# KiCad board q2v2.kicad_pcb (continued)
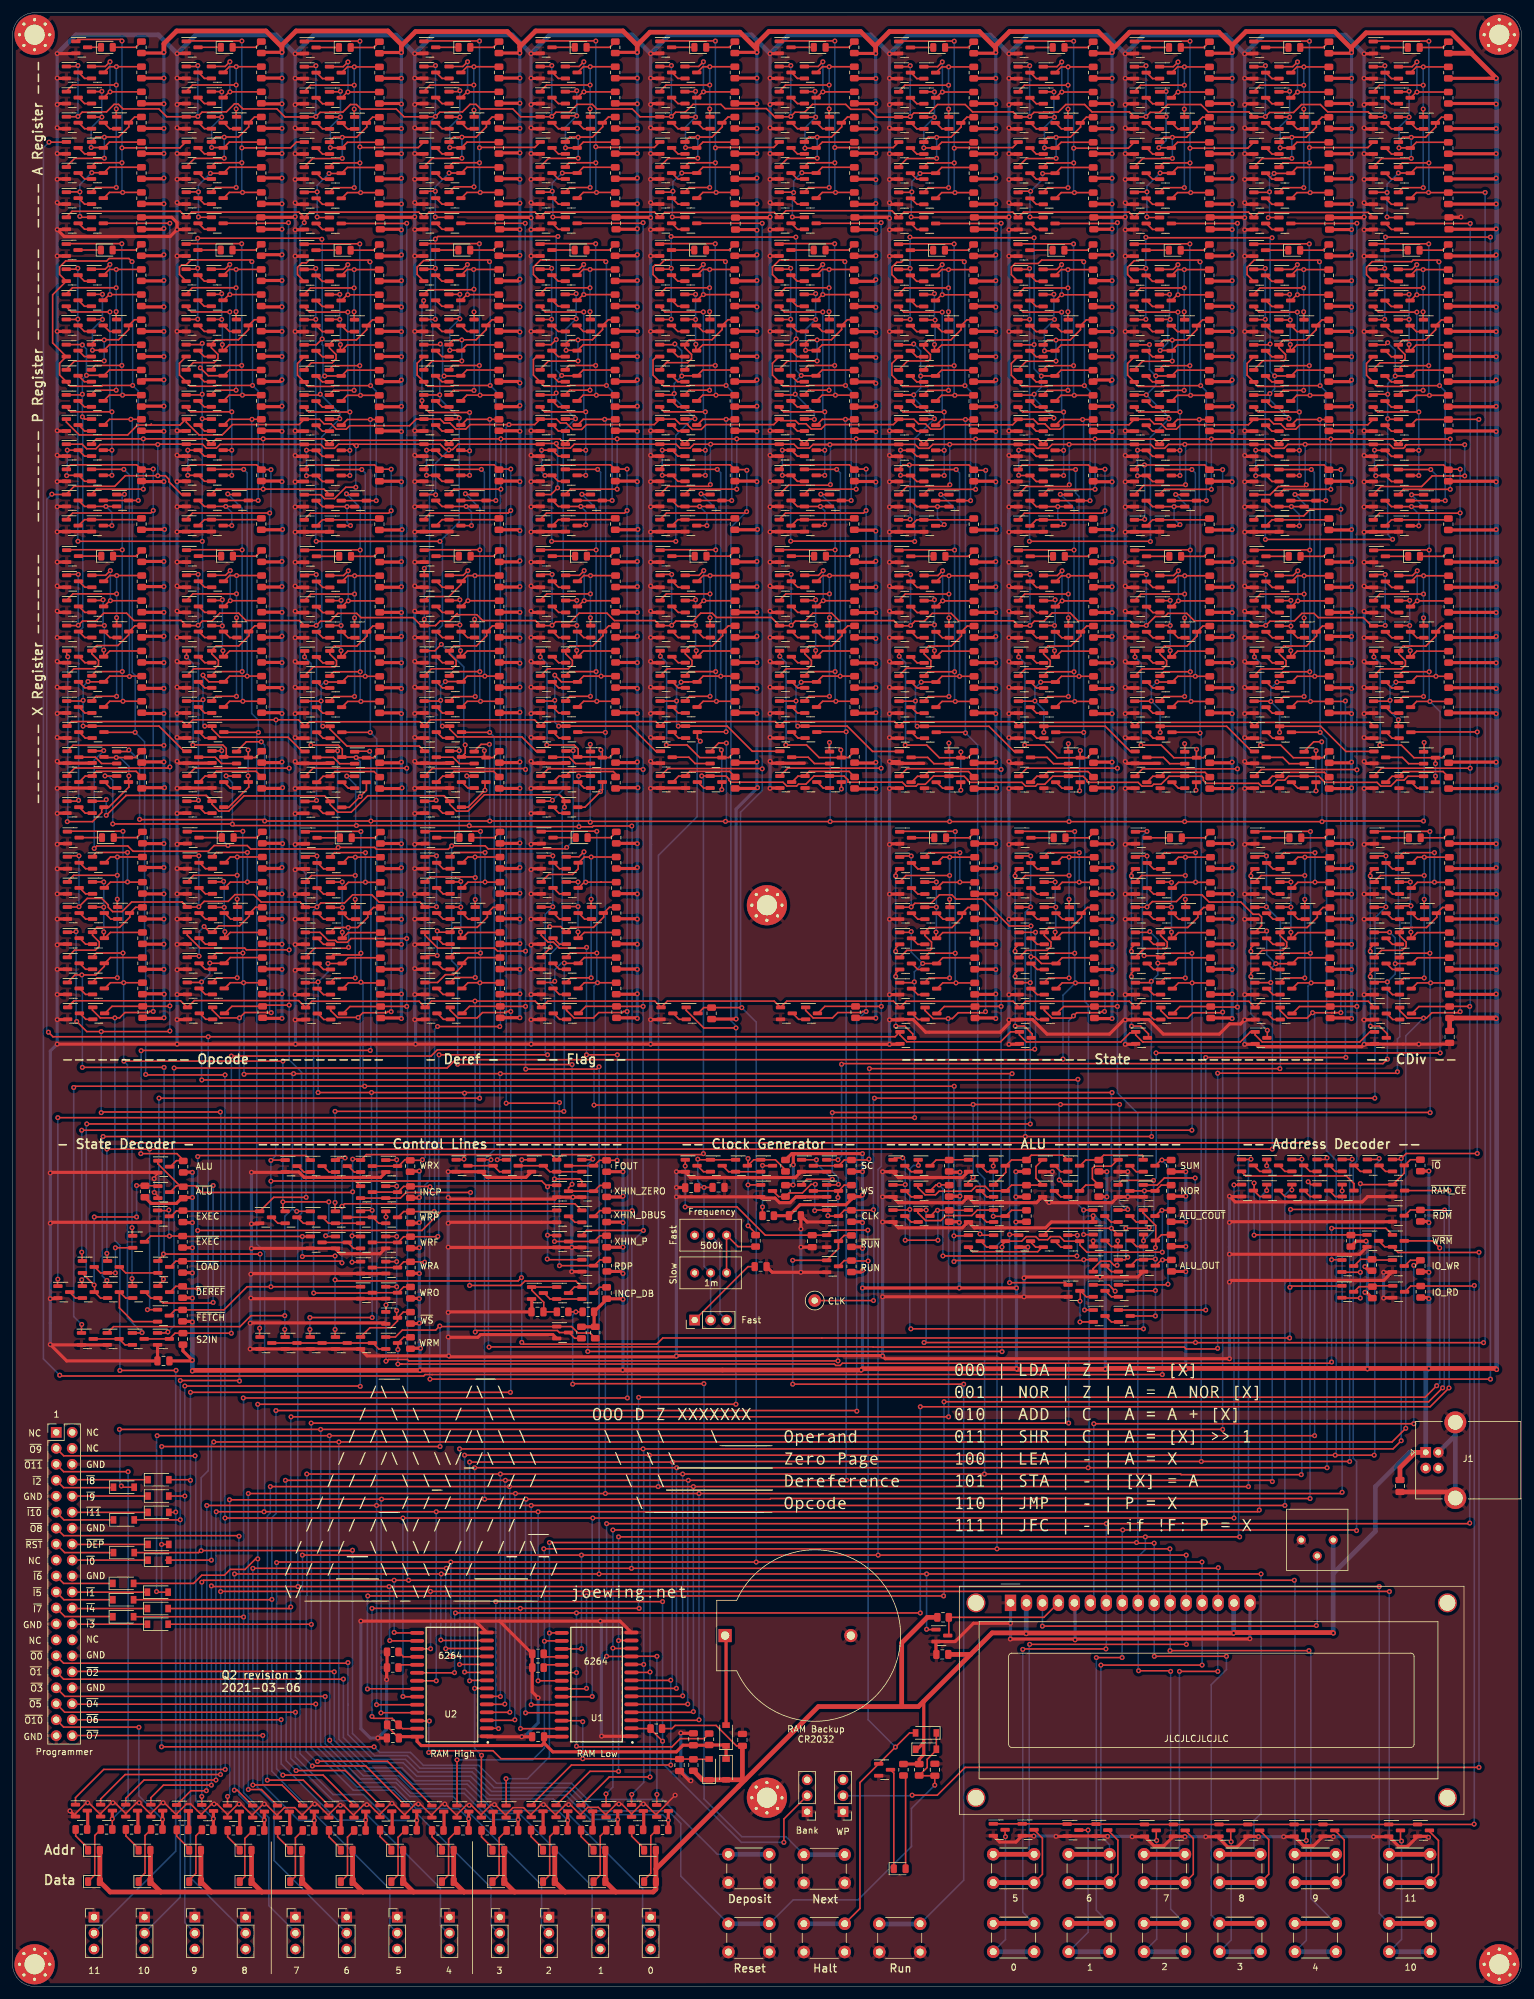
[diagram p0: board, top side]
## Routing (per net, layer and track width the routed paths; a pad name or vN(x,y) marks a point on that pad's centre or on a via; arc(x,y) is an arc through that point) (continued)
VCC: length 4833.2
  Top w0.25: 103.39,41.1 R300.1 104.9,41.03 105.4,41.53 111.91,41.53 112.56,40.88 ; C5.1 115.16,38.28 112.56,40.88 ; 112.56,40.88 112.34,41.1 ; Q52.1 9.61,197.48 24.05,197.48 v1(24.07,197.46)
  Top w0.5: 42.74,307.61 v1(42.85,307.73) ; v1(42.85,307.73) 39.58,307.73 ; v1(42.85,307.73) 42.85,307.76 ; 42.84,303.61 v1(42.85,303.63) 39.48,303.63 ; 42.76,299.61 v1(42.85,299.53) 39.56,299.53 ; 42.84,295.61 v1(42.85,295.63) 39.48,295.63 ; 42.84,291.61 v1(42.85,291.63) 39.48,291.63 ; 42.74,287.61 v1(42.85,287.73) 39.58,287.73 ; 42.84,283.61 v1(42.85,283.63) 39.48,283.63 ; 42.76,154.11 v1(42.85,154.03) 39.86,154.03 ; 42.82,263.36 v1(42.85,263.33) 39.48,263.33 ; 42.72,267.36 v1(42.85,267.23) 39.58,267.23 ; 42.78,271.36 v1(42.85,271.43) 39.52,271.43 ; 42.68,275.36 v1(42.85,275.53) 39.62,275.53 ; 99.26,307.61 v1(99.38,307.72) 95.89,307.72 ; 99.36,303.61 v1(99.38,303.62) 95.79,303.62 ; 99.29,299.61 v1(99.38,299.52) 95.86,299.52 ; 99.36,190.61 v1(99.47,190.72) 96.04,190.72 ; 61.74,307.58 v1(61.85,307.7) 58.46,307.7 ; v1(236,275.5) 235.83,275.33 R405.1 ; v1(236,299.5) 235.91,299.58 R411.1 ; R416.1 235.99,291.58 v1(236,291.6) ; v1(236,287.7) 235.89,287.58 R413.1 ; v1(236,169.8) 235.95,169.84 R433.1 ; v1(236,178) 235.85,177.84 R432.1 ; v1(236,181.8) 235.95,181.84 R430.1 ; 235.89,194.68 v1(236,194.8) 228.56,194.8 ; v1(236,190.7) 235.89,190.58 R418.1 ; R421.1 235.93,226.62 v1(236,226.7) ; v1(236,239.4) 235.91,239.48 R401.1 ; R403.1 235.93,251.33 v1(236,251.4) ; R414.1 235.99,303.58 v1(236,303.6) 234.73,303.6 ; 174.87,259.33 v1(174.9,259.3) 171.81,259.3 ; 174.83,251.33 v1(174.9,251.4) 171.85,251.4 ; 174.81,247.48 v1(174.9,247.4) 171.89,247.4 ; 174.94,231.73 v1(175,231.8) 171.96,231.8 ; 174.87,210.62 v1(174.9,210.6) 171.88,210.6 ; 174.75,177.84 v1(174.9,178) 172.11,178 ; 174.85,169.84 v1(174.9,169.8) 172.01,169.8 ; 174.89,190.58 v1(175,190.7) 172.06,190.7 ; 174.77,267.33 v1(174.9,267.2) 171.91,267.2 ; 174.63,255.33 v1(174.9,255.6) 172.05,255.6 171.78,255.33 ; 174.73,214.62 v1(174.9,214.8) 172.02,214.8 ; 174.79,194.68 v1(174.9,194.8) 171.96,194.8 ; 174.83,222.62 v1(174.9,222.7) 171.92,222.7 ; 174.85,173.84 v1(174.9,173.8) 172.01,173.8 ; 174.85,165.84 v1(174.9,165.8) 172.01,165.8 ; 174.85,157.84 v1(174.9,157.9) 172.01,157.9 ; 118.29,307.61 v1(118.4,307.72) 114.91,307.72 ; 212.83,214.62 v1(213,214.8) 209.62,214.8 ; v1(236,267.2) 235.87,267.33 R404.1 ; R407.1 235.93,271.33 v1(236,271.4) ; v1(236,255.6) 235.73,255.33 R406.1 ; v1(236,247.4) 235.91,247.48 R399.1 ; v1(236,259.3) 235.97,259.33 R409.1 ; R402.1 235.94,231.73 v1(236,231.8) ; R422.1 235.87,206.62 v1(236,206.5) ; R424.1 235.83,214.62 v1(236,214.8) ; R429.1 235.95,173.84 v1(236,173.8) ; v1(236,283.6) 235.99,283.58 R410.1 ; v1(236,295.6) 235.99,295.58 R415.1 ; R423.1 235.93,222.62 v1(236,222.7) ; v1(236,263.3) 235.97,263.33 R408.1 ; v1(236,202.5) 235.87,202.62 R419.1 ; R425.1 235.97,210.62 v1(236,210.6) ; v1(236,157.9) 235.95,157.84 R428.1 ; R434.1 235.95,165.84 v1(236,165.8) ; R420.1 235.97,218.62 v1(236,218.6) ; 174.87,218.62 v1(174.9,218.6) 171.88,218.6 ; 174.77,206.62 v1(174.9,206.5) 171.98,206.5 ; 174.83,271.33 v1(174.9,271.4) 171.85,271.4 ; 174.81,154.08 v1(174.9,154) 172.09,154 ; 174.89,291.58 v1(174.9,291.6) 171.81,291.6 ; 174.73,275.33 v1(174.9,275.5) 171.95,275.5 ; 174.79,287.58 v1(174.9,287.7) 171.91,287.7 ; 174.83,226.62 v1(174.9,226.7) 171.92,226.7 ; 174.87,263.33 v1(174.9,263.3) 171.81,263.3 ; R431.1 235.95,161.84 v1(236,161.8) ; 174.85,181.84 v1(174.9,181.8) 172.01,181.8 ; 174.77,202.62 v1(174.9,202.5) 171.98,202.5 ; 174.89,283.58 v1(174.9,283.6) 171.81,283.6 ; 174.81,239.48 v1(174.9,239.4) 171.89,239.4 ; 174.85,161.84 v1(174.9,161.8) 172.01,161.8 ; 118.39,303.61 v1(118.4,303.62) 114.81,303.62 ; 156.39,190.58 v1(156.5,190.7) 156.53,190.7 156.64,190.58 R113.1 ; R358.1 212.93,226.62 v1(213,226.7) ; R360.1 212.93,222.62 v1(213,222.7) ; 58.25,303.58 61.84,303.58 v1(61.85,303.6) ; v1(42.85,173.83) 42.8,173.87 39.63,173.87 ; v1(61.85,173.8) 61.8,173.84 58.41,173.84 ; 152.78,275.33 156.23,275.33 v1(156.4,275.5) ; R44.1 97.09,117.61 v1(97.1,117.63) ; v1(80.7,279.53) 80.65,279.58 77.4,279.58 ; 114.8,295.61 118.39,295.61 v1(118.4,295.62) ; 114.78,275.35 118.23,275.35 v1(118.4,275.52) ; R373.1 R371.1 ; R128.1 135.16,129.66 v1(135.2,129.63) ; v1(61.85,267.2) 61.72,267.33 58.23,267.33 ; 39.63,169.87 42.8,169.87 v1(42.85,169.83) ; v1(99.38,202.52) 99.25,202.65 95.82,202.65 ; R42.1 27.1,101.13 v1(28.6,99.63) 28.5,99.53 C1.1 ; 95.75,251.35 99.31,251.35 v1(99.38,251.42) ; 24,226.65 v1(24.07,226.73) 20.52,226.73 ; v1(80.7,287.53) 80.62,287.61 77.28,287.61 ; 133.94,214.59 137.19,214.59 v1(137.32,214.46) ; v1(135.2,132.5) 124.47,132.5 ; 124.47,132.5 124.2,132.23 v1(124.2,130.73) ; 124.47,132.5 123.96,132.5 R130.1 ; v1(118.4,202.52) 118.27,202.65 114.85,202.65 ; v1(118.4,218.62) 118.37,218.65 114.85,218.65 ; 20.4,295.61 24.06,295.61 v1(24.07,295.63) ; R207.1 150.49,121.66 v1(150.6,121.55) ; R278.1 193.83,214.62 v1(194,214.8) ; v1(156.4,181.8) 156.35,181.84 152.96,181.84 ; v1(80.7,267.23) 80.57,267.35 77.25,267.35 ; 95.82,194.71 99.26,194.71 v1(99.38,194.82) ; v1(137.32,291.66) 134.01,291.66 ; R260.1 193.73,255.33 v1(194,255.6) ; 95.94,161.87 99.33,161.87 v1(99.38,161.82) ; R266.1 193.89,307.58 v1(194,307.7) ; v1(99.38,169.82) 99.33,169.87 95.94,169.87 ; v1(99.38,214.82) 99.2,214.65 95.82,214.65 ; v1(42.85,161.83) 42.8,161.87 R90.1 ; 152.78,255.33 156.13,255.33 v1(156.4,255.6) ; 23.98,239.51 v1(24.07,239.43) 20.49,239.43 ; R270.1 193.99,291.58 v1(194,291.6) ; v1(99.47,231.82) 99.41,231.76 R305.1 ; 171.8,295.58 174.89,295.58 v1(174.9,295.6) ; v1(80.7,181.93) 80.64,181.87 77.44,181.87 ; v1(213,283.6) 212.99,283.58 R347.1 ; 77.28,283.61 80.58,283.61 v1(80.7,283.73) ; v1(135.2,125.93) 134.94,125.66 R133.1 133.45,125.26 132.56,124.38 125.25,124.38 C10.2 R134.1 ; R49.1 64.64,117.46 v1(64.7,117.53) ; v1(64.7,125.53) 64.64,125.46 R50.1 ; 39.45,255.36 42.58,255.36 v1(42.85,255.63) ; v1(137.32,226.76) 137.14,226.59 133.94,226.59 ; R36.1 28.56,109.56 v1(28.6,109.53) ; R269.1 193.99,295.58 v1(194,295.6) ; 95.94,157.87 99.32,157.87 v1(99.38,157.92) ; v1(194,247.4) 193.91,247.48 R253.1 ; v1(213,239.4) 212.91,239.48 R338.1 ; v1(61.85,157.9) 61.8,157.84 58.41,157.84 ; v1(61.85,279.48) 61.75,279.58 58.4,279.58 ; v1(118.4,210.62) 118.37,210.65 114.85,210.65 ; v1(215.12,114.53) 215.79,113.86 R288.1 ; v1(150.7,125.73) 149.06,125.73 ; v1(156.4,287.7) 156.29,287.58 152.8,287.58 ; 95.82,222.65 99.3,222.65 v1(99.38,222.72) ; v1(61.85,202.5) 61.72,202.62 58.3,202.62 ; v1(64.7,113.43) 64.66,113.46 R51.1 ; v1(61.85,210.6) 61.82,210.62 58.3,210.62 ; 58.3,194.68 61.74,194.68 v1(61.85,194.8) ; 133.94,202.59 137.24,202.59 v1(137.32,202.66) ; v1(225.3,113.63) 225.21,113.71 R289.1 ; 133.89,239.45 137.24,239.45 v1(137.32,239.36) ; v1(61.85,169.8) 61.8,169.84 58.41,169.84 ; v1(99.38,267.22) 99.24,267.35 95.75,267.35 ; v1(137.32,279.46) 137.27,279.51 134.02,279.51 ; 114.85,214.65 118.23,214.65 v1(118.4,214.82) ; v1(80.7,194.83) 80.58,194.71 77.32,194.71 ; 20.38,255.36 20.65,255.63 v1(24.07,255.63) ; 95.9,279.58 99.3,279.58 v1(99.38,279.65) ; v1(80.7,154.13) 77.49,154.13 ; 152.85,226.62 156.33,226.62 v1(156.4,226.7) ; 20.52,222.73 v1(24.07,222.73) 24,222.65 ; 39.47,247.51 42.76,247.51 v1(42.85,247.43) ; v1(42.85,214.83) 42.68,214.65 39.52,214.65 ; v1(99.38,295.62) 99.36,295.61 95.78,295.61 ; v1(156.4,263.3) 156.37,263.33 152.78,263.33 ; R281.1 193.95,173.84 v1(194,173.8) ; v1(61.85,247.4) 61.76,247.48 58.25,247.48 ; v1(194,226.7) 193.93,226.62 R275.1 ; v1(64.7,105.53) 64.64,105.46 R52.1 ; v1(24.07,291.63) 24.06,291.61 20.4,291.61 ; R363.1 212.95,157.84 v1(213,157.9) ; 152.78,251.33 156.33,251.33 v1(156.4,251.4) ; v1(194,202.5) 193.87,202.62 R273.1 ; R39.1 64.66,109.46 v1(64.7,109.43) ; 77.32,210.65 80.58,210.65 v1(80.7,210.53) ; v1(99.38,226.72) 99.3,226.65 95.82,226.65 ; v1(99.38,271.42) 99.31,271.35 95.75,271.35 ; v1(61.85,161.8) 61.8,161.84 58.41,161.84 ; v1(156.4,194.8) 156.29,194.68 152.85,194.68 ; 77.28,239.51 80.62,239.51 v1(80.7,239.43) ; v1(186.62,125.73) 184.36,125.73 ; v1(80.7,165.93) 80.64,165.87 77.44,165.87 ; v1(194,275.5) 193.83,275.33 R259.1 ; 58.23,275.33 61.68,275.33 v1(61.85,275.5) ; 114.85,222.65 118.33,222.65 v1(118.4,222.72) ; R258.1 193.87,267.33 v1(194,267.2) ; v1(213,165.8) 212.95,165.84 R369.1 ; v1(24.07,307.73) 23.96,307.61 R14.1 ; v1(137.32,251.46) 137.15,251.29 133.87,251.29 ; 39.52,218.65 42.82,218.65 v1(42.85,218.63) ; 95.94,173.87 99.33,173.87 v1(99.38,173.82) ; v1(42.85,194.83) 42.74,194.71 39.52,194.71 ; v1(99.38,291.62) 99.36,291.61 95.78,291.61 ; v1(42.85,222.73) 42.78,222.65 39.52,222.65 ; v1(80.7,255.13) 80.47,255.35 77.25,255.35 ; 174.9,308.01 v1(174.9,307.7) 174.79,307.58 171.8,307.58 ; 58.41,165.84 61.8,165.84 v1(61.85,165.8) ; 77.25,259.35 80.57,259.35 v1(80.7,259.23) ; 133.89,287.55 137.24,287.55 v1(137.32,287.46) ; v1(137.32,154.06) 134.11,154.06 ; v1(213,299.5) 212.91,299.58 R348.1 ; 152.8,295.58 156.39,295.58 v1(156.4,295.6) ; v1(42.85,178.03) 42.7,177.87 39.63,177.87 ; v1(61.85,259.3) 61.82,259.33 58.23,259.33 ; v1(156.4,178) 156.25,177.84 152.96,177.84 ; v1(156.4,169.8) 156.35,169.84 152.96,169.84 ; 20.4,279.58 23.95,279.58 v1(24.07,279.69) ; D42.1 143.91,37.73 144.95,38.78 ; v1(42.85,210.63) 42.82,210.65 39.52,210.65 ; v1(213,255.6) 212.73,255.33 R343.1 ; v1(28.6,125.53) 27.09,125.53 ; R215.1 186.59,113.76 v1(186.62,113.73) ; 77.25,263.35 80.57,263.35 v1(80.7,263.23) ; 153,154.08 156.31,154.08 v1(156.4,154) ; 229.34,307.58 R412.1 ; v1(186.62,121.63) 186.59,121.66 R214.1 ; v1(118.4,267.22) 118.27,267.35 114.78,267.35 ; v1(225.3,129.73) 223.96,129.73 ; v1(28.6,117.53) 27.09,117.53 ; 114.8,239.51 118.31,239.51 v1(118.4,239.42) ; v1(80.7,247.43) 80.62,247.51 77.28,247.51 ; v1(42.85,206.53) 42.72,206.65 39.52,206.65 ; 23.98,299.61 v1(24.07,299.53) 20.49,299.53 ; v1(186.62,117.73) 184.34,117.73 ; 20.48,210.63 v1(24.07,210.63) 24.04,210.65 ; v1(97.1,121.53) 97.01,121.61 R45.1 ; R263.1 193.97,259.33 v1(194,259.3) ; 27.05,125.56 26.06,124.58 22.04,124.58 R41.1 ; v1(118.4,194.82) 118.29,194.71 114.85,194.71 ; 133.94,222.59 137.24,222.59 v1(137.32,222.66) ; 94.56,113.76 96.76,113.76 v1(97.1,113.43) ; R342.1 212.83,275.33 v1(213,275.5) ; 39.63,165.87 42.8,165.87 v1(42.85,165.83) ; v1(137.32,190.56) 137.3,190.55 133.94,190.55 ; v1(194,218.6) 193.97,218.62 R274.1 ; v1(194,303.6) 193.99,303.58 R268.1 ; v1(80.7,222.73) 80.62,222.65 77.32,222.65 ; R367.1 212.85,177.84 v1(213,178) ; v1(118.4,259.32) 118.37,259.35 114.78,259.35 ; R354.1 212.89,194.68 v1(213,194.8) ; 171.8,303.58 174.89,303.58 v1(174.9,303.6) ; 58.3,214.62 61.68,214.62 v1(61.85,214.8) ; R208.1 159.64,129.66 v1(159.6,129.63) ; v1(80.7,291.73) 77.39,291.73 ; R216.1 174.04,125.66 v1(174.07,125.63) ; v1(156.4,214.8) 156.23,214.62 152.85,214.62 ; R286.1 193.95,165.84 v1(194,165.8) ; R267.1 193.89,287.58 v1(194,287.7) ; 77.32,190.61 80.68,190.61 v1(80.7,190.63) ; 77.32,202.65 80.62,202.65 v1(80.7,202.73) ; v1(80.7,295.63) 77.29,295.63 ; R341.1 212.87,267.33 v1(213,267.2) ; 144.95,45.38 144.95,36.88 144.22,36.14 R370.1 R137.1 ; v1(99.38,178.02) 99.22,177.87 95.94,177.87 ; v1(213,161.8) 212.95,161.84 R366.1 ; v1(61.85,251.4) 61.78,251.33 58.23,251.33 ; v1(64.9,101.53) 63.36,101.53 ; 20.66,190.73 v1(24.17,190.73) 24.06,190.61 ; R337.1 212.91,154.08 v1(213,154) ; R63.1 42.89,231.76 v1(42.95,231.83) ; v1(156.4,165.8) 156.35,165.84 152.96,165.84 ; v1(42.95,181.83) 42.9,181.87 R89.1 ; v1(137.32,295.56) 133.91,295.56 ; v1(194,210.6) 193.97,210.62 R279.1 ; 24.02,165.87 v1(24.07,165.83) 20.61,165.83 ; v1(213,263.3) 212.97,263.33 R345.1 ; 77.25,275.35 80.63,275.35 v1(80.7,275.43) ; v1(61.95,231.8) 61.89,231.73 R141.1 ; R256.1 193.94,231.73 v1(194,231.8) ; v1(99.38,218.62) 99.35,218.65 95.82,218.65 ; v1(118.4,287.72) 118.29,287.61 114.8,287.61 ; R365.1 212.95,181.84 v1(213,181.8) ; R364.1 212.95,173.84 v1(213,173.8) ; v1(213,295.6) 212.99,295.58 R352.1 ; v1(194,157.9) 193.95,157.84 R280.1 ; 20.61,161.83 v1(24.07,161.83) 24.02,161.87 ; R135.1 134.96,117.66 v1(135.2,117.43) ; 152.85,210.62 156.37,210.62 v1(156.4,210.6) ; v1(118.4,251.42) 118.33,251.35 114.78,251.35 ; v1(137.32,231.56) 137.19,231.7 133.89,231.7 ; 63.3,129.71 64.69,129.71 v1(64.7,129.73) ; v1(194,194.8) 193.89,194.68 R271.1 ; v1(137.32,299.56) 133.91,299.56 ; v1(213,251.4) 212.93,251.33 R340.1 ; v1(99.38,210.62) 99.35,210.65 95.82,210.65 ; v1(156.4,222.7) 156.33,222.62 152.85,222.62 ; R157.1 61.84,190.58 v1(61.95,190.7) ; v1(194,283.6) 193.99,283.58 R264.1 ; v1(159.7,111.13) v1(150.6,111.13) v1(135.2,111.13) ; R299.1 225.11,121.71 v1(225.3,121.53) ; v1(194,222.7) 193.93,222.62 R277.1 ; v1(137.32,303.56) 133.91,303.56 ; v1(118.5,190.72) 118.39,190.61 R445.1 ; v1(80.7,218.63) 80.68,218.65 77.32,218.65 ; 20.56,231.83 v1(24.17,231.83) 24.11,231.76 ; v1(194,299.5) 193.91,299.58 R265.1 ; 95.75,255.35 99.11,255.35 v1(99.38,255.62) ; v1(99.38,275.52) 99.21,275.35 95.75,275.35 ; v1(156.4,283.6) 156.39,283.58 152.8,283.58 ; 77.44,161.87 80.66,161.87 v1(80.7,161.83) ; R339.1 212.94,231.73 v1(213,231.8) ; 23.9,214.65 v1(24.07,214.83) 20.62,214.83 ; 133.94,206.59 137.24,206.59 v1(137.32,206.66) ; 95.78,239.51 99.29,239.51 v1(99.38,239.42) ; v1(137.32,259.16) 137.19,259.29 133.87,259.29 ; 152.85,202.62 156.27,202.62 v1(156.4,202.5) ; v1(118.5,231.82) 118.44,231.76 R454.1 ; 114.8,291.61 118.39,291.61 v1(118.4,291.62) ; v1(118.4,247.42) 118.31,247.51 114.8,247.51 ; R254.1 193.91,154.08 v1(194,154) ; 95.98,154.11 99.29,154.11 v1(99.38,154.02) ; v1(80.7,231.63) 80.57,231.76 77.28,231.76 ; v1(61.85,295.6) 61.84,295.58 58.25,295.58 ; R362.1 212.97,210.62 v1(213,210.6) ; 24.04,263.36 v1(24.07,263.33) 20.41,263.33 ; v1(186.62,129.63) 184.34,129.63 ; v1(61.85,255.6) 61.58,255.33 58.23,255.33 ; v1(194,239.4) 193.91,239.48 R255.1 ; 152.96,157.84 156.35,157.84 v1(156.4,157.9) ; 20.58,202.53 v1(24.07,202.53) 23.94,202.65 ; 114.8,299.61 118.31,299.61 v1(118.4,299.52) ; R136.1 134.94,113.66 v1(135.2,113.93) ; 20.41,283.63 v1(24.07,283.63) 24.06,283.61 ; 24.02,169.87 v1(24.07,169.83) 20.61,169.83 ; 27.05,129.56 28.56,129.56 v1(28.6,129.53) ; v1(61.85,291.6) 61.84,291.58 58.25,291.58 ; 141.5,44.46 141.44,44.53 ; v1(156.4,267.2) 156.27,267.33 152.78,267.33 ; v1(137.32,218.56) 137.29,218.59 133.94,218.59 ; 114.85,206.65 118.27,206.65 v1(118.4,206.52) ; v1(24.07,275.53) 23.9,275.36 20.38,275.36 ; v1(156.4,161.8) 156.35,161.84 152.96,161.84 ; R368.1 212.95,169.84 v1(213,169.8) ; v1(213,218.6) 212.97,218.62 R357.1 ; R350.1 212.89,287.58 v1(213,287.7) ; 133.89,247.45 137.24,247.45 v1(137.32,247.36) ; v1(137.32,271.56) 137.04,271.29 133.87,271.29 ; R43.1 96.99,125.61 v1(97.1,125.73) ; 133.94,194.65 137.2,194.65 v1(137.32,194.76) ; 77.32,226.65 80.52,226.65 v1(80.7,226.83) ; v1(156.4,303.6) 156.39,303.58 152.8,303.58 ; 77.44,173.87 80.64,173.87 v1(80.7,173.93) ; R359.1 212.87,206.62 v1(213,206.5) ; v1(61.85,271.4) 61.78,271.33 58.23,271.33 ; v1(64.7,121.53) 64.64,121.46 R57.1 ; 77.44,177.87 80.54,177.87 v1(80.7,178.03) ; 77.25,271.35 80.43,271.35 v1(80.7,271.63) ; R257.1 193.93,251.33 v1(194,251.4) ; 152.8,291.58 156.39,291.58 v1(156.4,291.6) ; R37.1 28.56,113.56 v1(28.6,113.53) ; 152.85,206.62 156.27,206.62 v1(156.4,206.5) ; v1(118.4,226.72) 118.33,226.65 114.85,226.65 ; v1(99.38,206.52) 99.25,206.65 95.82,206.65 ; v1(194,263.3) 193.97,263.33 R262.1 ; v1(135.2,121.53) 135.06,121.66 R132.1 ; R97.1 156.44,231.73 v1(156.5,231.8) ; v1(194,169.8) 193.95,169.84 R285.1 ; 20.61,181.83 v1(24.07,181.83) 24.02,181.87 ; R284.1 193.85,177.84 v1(194,178) ; v1(61.85,218.6) 61.82,218.62 58.3,218.62 ; v1(194,161.8) 193.95,161.84 R283.1 ; 92.51,105.14 R372.1 94.5,109.31 ; C23.1 v1(213,279.53) ; 23.94,206.65 v1(24.07,206.53) 20.58,206.53 ; v1(137.32,283.66) 137.2,283.55 133.89,283.55 ; v1(80.7,303.63) 77.29,303.63 ; 137.3,307.67 v1(137.3,307.55) 133.89,307.55 ; v1(42.85,226.73) 42.78,226.65 39.52,226.65 ; v1(80.7,157.93) 80.64,157.87 77.44,157.87 ; v1(42.85,251.43) 42.78,251.36 39.45,251.36 ; 58.25,287.58 61.74,287.58 v1(61.85,287.7) ; R353.1 212.99,291.58 v1(213,291.6) ; 133.87,267.29 137.19,267.29 v1(137.32,267.16) ; v1(137.32,210.46) 137.19,210.59 133.94,210.59 ; v1(99.38,165.82) 99.33,165.87 95.94,165.87 ; v1(24.12,157.87) 24.17,157.93 20.71,157.93 ; v1(42.85,239.43) 42.76,239.51 39.47,239.51 ; v1(213,307.7) 212.89,307.58 R349.1 ; v1(28.6,121.53) 27.09,121.53 ; R436.1 115.09,153.91 v1(115.1,153.93) ; v1(156.4,218.6) 156.37,218.62 152.85,218.62 ; 114.8,283.61 118.39,283.61 v1(118.4,283.62) ; v1(42.95,190.73) 42.84,190.61 R79.1 ; 95.78,283.61 99.36,283.61 v1(99.38,283.62) ; v1(213,202.5) 212.87,202.62 R356.1 ; v1(215.12,110.43) 215.39,110.43 R291.1 ; v1(24.07,271.43) 24,271.36 20.38,271.36 ; R351.1 212.99,303.58 v1(213,303.6) ; R282.1 193.95,181.84 v1(194,181.8) ; 77.32,206.65 80.62,206.65 v1(80.7,206.73) ; v1(156.4,307.7) 156.29,307.58 152.8,307.58 ; 58.45,154.08 61.76,154.08 v1(61.85,154) ; R336.1 212.91,247.48 v1(213,247.4) ; v1(80.7,251.53) 80.53,251.35 77.25,251.35 ; v1(194,190.7) 193.89,190.58 R272.1 ; 39.45,259.36 42.82,259.36 v1(42.85,259.33) ; 58.41,177.84 61.7,177.84 v1(61.85,178) ; v1(213,271.4) 212.93,271.33 R344.1 ; v1(225.3,109.43) 225.11,109.61 R290.1 ; R54.1 97.01,109.41 v1(97.1,109.33) ; 24,251.36 v1(24.07,251.43) 20.45,251.43 ; 152.9,279.58 156.35,279.58 v1(156.4,279.53) ; 39.4,279.58 v1(42.85,279.58) ; v1(80.7,214.53) 80.58,214.65 77.32,214.65 ; v1(156.4,259.3) 156.37,259.33 152.78,259.33 ; v1(194,279.53) 193.95,279.58 C17.1 ; v1(156.4,247.4) 156.31,247.48 152.8,247.48 ; v1(42.85,202.53) 42.72,202.65 39.52,202.65 ; v1(61.85,226.7) 61.78,226.62 58.3,226.62 ; v1(215.52,98.25) 215.6,98.33 v1(225.3,98.33) ; 20.61,173.83 v1(24.07,173.83) 24.02,173.87 ; 20.4,303.61 24.06,303.61 v1(24.07,303.63) ; v1(174.9,279.63) 174.85,279.58 171.9,279.58 ; v1(61.85,263.3) 61.82,263.33 58.23,263.33 ; 152.78,271.33 156.33,271.33 v1(156.4,271.4) ; v1(118.4,255.62) 118.13,255.35 114.78,255.35 ; R276.1 193.87,206.62 v1(194,206.5) ; v1(173.82,98.2) 173.83,98.2 ; v1(159.6,121.63) 159.64,121.66 R206.1 ; 58.25,299.58 61.76,299.58 v1(61.85,299.5) ; 114.78,263.35 118.37,263.35 v1(118.4,263.32) ; 114.78,271.35 118.33,271.35 v1(118.4,271.42) ; 20.48,218.63 v1(24.07,218.63) 24.04,218.65 ; 23.98,247.51 v1(24.07,247.43) 20.49,247.43 ; v1(61.85,206.5) 61.72,206.62 58.3,206.62 ; v1(24.07,178.03) 20.71,178.03 ; 133.87,255.29 137.09,255.29 v1(137.32,255.06) ; v1(61.85,181.8) 61.8,181.84 58.41,181.84 ; v1(118.4,279.43) 118.3,279.53 114.9,279.53 ; v1(213,259.3) 212.97,259.33 R346.1 ; v1(156.4,299.5) 156.31,299.58 152.8,299.58 ; v1(215.3,118.58) 213.76,118.58 R301.1 ; R87.1 42.8,157.87 v1(42.85,157.93) ; C26.1 235.95,279.58 v1(236,279.63) ; v1(97.1,129.63) 94.51,129.63 ; v1(61.85,283.6) 61.84,283.58 58.25,283.58 ; 95.94,181.87 99.33,181.87 v1(99.38,181.82) ; v1(124.18,127.53) 122.99,127.53 ; 20.56,194.83 v1(24.07,194.83) 23.96,194.71 ; v1(174.07,129.63) 172.84,129.63 ; 133.87,275.29 137.25,275.29 v1(137.32,275.36) ; 20.4,287.61 23.96,287.61 v1(24.07,287.73) ; 58.25,239.48 61.76,239.48 v1(61.85,239.4) ; 95.75,263.35 99.34,263.35 v1(99.38,263.32) ; v1(61.85,222.7) 61.78,222.62 58.3,222.62 ; v1(99.38,259.32) 99.34,259.35 95.75,259.35 ; v1(194,271.4) 193.93,271.33 R261.1 ; 20.79,154.03 24.17,154.03 v1(24.08,154.11) ; R355.1 212.89,190.58 v1(213,190.7) ; 77.28,307.61 v1(80.68,307.61) 80.68,307.73 ; v1(99.38,287.72) 99.26,287.61 95.78,287.61 ; v1(159.6,125.63) 161.26,125.63 ; 133.87,263.29 137.19,263.29 v1(137.32,263.16) ; 28.49,105.61 v1(28.6,105.73) 28.51,105.81 27.1,105.81 ; 20.41,259.33 v1(24.07,259.33) 24.04,259.36 ; 20.51,267.23 v1(24.07,267.23) 23.94,267.36 ; v1(150.7,129.55) 149.11,129.55 ; 152.8,239.48 156.31,239.48 v1(156.4,239.4) ; 171.8,299.58 174.81,299.58 v1(174.9,299.5) ; 152.96,173.84 156.35,173.84 v1(156.4,173.8) ; 77.44,169.87 80.66,169.87 v1(80.7,169.83) ; 194.15,56.13 v1(194.25,56.23) ; v1(80.7,299.63) 77.29,299.63 ; v1(99.38,247.42) 99.29,247.51 95.78,247.51
  Top w0.75: v1(99.38,307.72) 99.38,308.9 101.4,310.93 115.7,310.93 118.4,308.23 ; v1(80.68,307.61) 80.68,309.04 78.7,311.03 64.1,311.03 61.85,308.78 ; v1(61.85,307.7) 61.85,308.98 59.7,311.13 45.1,311.13 42.85,308.88 v1(42.85,307.73) ; 174.9,308.13 177.7,310.93 191.9,310.93 194,308.83 ; 39.66,15.03 31.61,15.03 ; 39.66,15.03 47.7,15.03 ; 39.66,15.03 D58.2 D57.2 ; 31.61,15.03 23.57,15.03 ; 31.61,15.03 D54.2 D53.2 ; C4.1 R400.1 235.91,154.08 v1(236,154) ; D51.2 D52.2 79.86,15.03 ; 63.78,15.03 D44.2 D43.2 ; 63.78,15.03 55.74,15.03 ; 63.78,15.03 71.82,15.03 ; R298.1 109.74,32.88 D32.1 D31.2 116.25,32.88 ; 194,308.83 196.2,311.03 210.3,311.03 213,308.33 ; 194,308.83 v1(194,307.7) ; C2.1 152.4,52.83 ; 152.4,52.83 144.1,44.53 128.18,44.53 102.34,18.69 ; 152.4,52.83 155.83,56.25 161.12,56.25 v1(161.25,56.13) 161.35,56.23 v1(194.25,56.23) 194.33,56.3 210.02,56.3 v1(210.1,56.23) ; v1(236,303.6) 236,303.63 232.04,307.58 ; 116.25,32.88 116.53,32.88 ; 116.25,32.88 116.1,33.03 C5.1 ; 232.04,307.58 R412.1 ; 232.04,307.58 232.04,307.64 228.86,310.83 215.3,310.83 213,308.53 v1(213,307.7) ; C3.1 220.7,82.53 223.15,84.98 J1.1 ; 80.68,308.61 83.2,311.13 97.1,311.13 99.38,308.85 ; 55.74,15.03 D66.2 D65.2 ; 55.74,15.03 47.7,15.03 ; v1(156.4,307.7) 156.4,308.83 158.6,311.03 172.7,311.03 174.9,308.83 v1(174.9,307.7) ; 141.44,44.53 141.44,54.66 145.5,58.73 R374.1 ; 87.9,15.03 D56.2 D55.2 ; 87.9,15.03 95.94,15.03 ; 87.9,15.03 79.86,15.03 ; 102.34,18.69 D64.2 102.34,15.46 101.9,15.03 95.94,15.03 ; 102.34,18.69 D63.2 ; v1(236.08,98.15) 235.9,98.33 v1(225.3,98.33) 186.75,98.33 v1(186.62,98.2) 186.5,98.33 173.95,98.33 v1(173.82,98.2) 159.78,98.2 v1(159.7,98.28) 135.2,98.28 v1(135,98.08) 112.95,98.08 v1(97.05,98.08) 64.85,98.08 v1(64.8,98.03) 28.7,98.03 v1(28.6,97.93) ; D59.2 D60.2 95.94,15.03 ; 42.85,308.58 40.3,311.13 26.1,311.13 24.07,309.09 v1(24.07,307.73) ; 47.7,15.03 D62.2 D61.2 ; D45.2 D46.2 15.53,15.03 23.57,15.03 ; D47.2 D48.2 71.82,15.03 ; 23.57,15.03 D50.2 D49.2 ; 79.86,15.03 71.82,15.03 ; v1(137.3,307.55) 137.3,308.83 139.5,311.03 153.8,311.03 156.4,308.43 ; 137.3,308.63 134.9,311.03 120.3,311.03 118.4,309.13 v1(118.4,307.72) ; 115.47,31.8 115.45,31.8
  Bottom w0.5: v1(42.85,307.73) v1(42.85,303.63) v1(42.85,299.53) v1(42.85,295.63) v1(42.85,291.63) v1(42.85,287.73) v1(42.85,283.63) v1(42.85,279.58) v1(42.85,275.53) v1(42.85,271.43) v1(42.85,267.23) v1(42.85,263.33) v1(42.85,259.33) v1(42.85,255.63) v1(42.85,251.43) v1(42.85,247.43) v1(42.85,239.43) v1(42.85,226.73) v1(42.85,222.73) v1(42.85,218.63) v1(42.85,214.83) v1(42.85,210.63) v1(42.85,206.53) v1(42.85,202.53) v1(42.85,194.83) v1(42.85,178.03) v1(42.85,173.83) v1(42.85,169.83) v1(42.85,165.83) v1(42.85,161.83) v1(42.85,157.93) v1(42.85,154.03) ; v1(99.38,307.72) v1(99.38,303.62) v1(99.38,299.52) v1(99.38,295.62) v1(99.38,291.62) v1(99.38,287.72) v1(99.38,283.62) v1(99.38,279.65) v1(99.38,275.52) v1(99.38,271.42) v1(99.38,267.22) v1(99.38,263.32) v1(99.38,259.32) v1(99.38,255.62) v1(99.38,251.42) v1(99.38,247.42) v1(99.38,239.42) v1(99.38,226.72) v1(99.38,222.72) v1(99.38,218.62) v1(99.38,214.82) v1(99.38,210.62) v1(99.38,206.52) v1(99.38,202.52) v1(99.38,194.82) v1(99.38,181.82) v1(99.38,178.02) v1(99.38,173.82) v1(99.38,169.82) v1(99.38,165.82) v1(99.38,161.82) v1(99.38,157.92) v1(99.38,154.02) ; v1(61.85,307.7) v1(61.85,303.6) v1(61.85,299.5) v1(61.85,295.6) v1(61.85,291.6) v1(61.85,287.7) v1(61.85,283.6) v1(61.85,279.48) v1(61.85,275.5) v1(61.85,271.4) v1(61.85,267.2) v1(61.85,263.3) v1(61.85,259.3) v1(61.85,255.6) v1(61.85,251.4) v1(61.85,247.4) v1(61.85,239.4) v1(61.85,226.7) v1(61.85,222.7) v1(61.85,218.6) v1(61.85,214.8) v1(61.85,210.6) v1(61.85,206.5) v1(61.85,202.5) v1(61.85,194.8) v1(61.85,181.8) v1(61.85,178) v1(61.85,173.8) v1(61.85,169.8) v1(61.85,165.8) v1(61.85,161.8) v1(61.85,157.9) v1(61.85,154) ; v1(156.4,307.7) v1(156.4,303.6) v1(156.4,299.5) v1(156.4,295.6) v1(156.4,291.6) v1(156.4,287.7) v1(156.4,283.6) v1(156.4,279.53) v1(156.4,275.5) v1(156.4,271.4) v1(156.4,267.2) v1(156.4,263.3) v1(156.4,259.3) v1(156.4,255.6) v1(156.4,251.4) v1(156.4,247.4) v1(156.4,239.4) v1(156.4,226.7) v1(156.4,222.7) v1(156.4,218.6) v1(156.4,214.8) v1(156.4,210.6) v1(156.4,206.5) v1(156.4,202.5) v1(156.4,194.8) v1(156.4,181.8) v1(156.4,178) v1(156.4,173.8) v1(156.4,169.8) v1(156.4,165.8) v1(156.4,161.8) v1(156.4,157.9) v1(156.4,154) ; v1(194,307.7) v1(194,303.6) v1(194,299.5) v1(194,295.6) v1(194,291.6) v1(194,287.7) v1(194,283.6) v1(194,279.53) v1(194,275.5) v1(194,271.4) v1(194,267.2) v1(194,263.3) v1(194,259.3) v1(194,255.6) v1(194,251.4) v1(194,247.4) v1(194,239.4) v1(194,226.7) v1(194,222.7) v1(194,218.6) v1(194,214.8) v1(194,210.6) v1(194,206.5) v1(194,202.5) v1(194,194.8) v1(194,181.8) v1(194,178) v1(194,173.8) v1(194,169.8) v1(194,165.8) v1(194,161.8) v1(194,157.9) v1(194,154) ; v1(213,307.7) v1(213,303.6) v1(213,299.5) v1(213,295.6) v1(213,291.6) v1(213,287.7) v1(213,283.6) v1(213,279.53) v1(213,275.5) v1(213,271.4) v1(213,267.2) v1(213,263.3) v1(213,259.3) v1(213,255.6) v1(213,251.4) v1(213,247.4) v1(213,239.4) v1(213,222.7) v1(213,218.6) v1(213,214.8) v1(213,210.6) v1(213,206.5) v1(213,202.5) v1(213,194.8) v1(213,181.8) v1(213,178) v1(213,173.8) v1(213,169.8) v1(213,165.8) v1(213,161.8) v1(213,157.9) v1(213,154) ; v1(174.9,307.7) v1(174.9,303.6) v1(174.9,299.5) v1(174.9,295.6) v1(174.9,291.6) v1(174.9,287.7) v1(174.9,283.6) v1(174.9,279.63) v1(174.9,275.5) v1(174.9,271.4) v1(174.9,267.2) v1(174.9,263.3) v1(174.9,259.3) v1(174.9,255.6) v1(174.9,251.4) v1(174.9,247.4) v1(174.9,239.4) v1(174.9,226.7) v1(174.9,222.7) v1(174.9,218.6) v1(174.9,214.8) v1(174.9,210.6) v1(174.9,206.5) v1(174.9,202.5) v1(174.9,194.8) v1(174.9,181.8) v1(174.9,178) v1(174.9,173.8) v1(174.9,169.8) v1(174.9,165.8) v1(174.9,161.8) v1(174.9,157.9) v1(174.9,154) ; v1(118.4,307.72) v1(118.4,303.62) v1(118.4,299.52) v1(118.4,295.62) v1(118.4,291.62) v1(118.4,287.72) v1(118.4,283.62) v1(118.4,279.43) v1(118.4,275.52) v1(118.4,271.42) v1(118.4,267.22) v1(118.4,263.32) v1(118.4,259.32) v1(118.4,255.62) v1(118.4,251.42) v1(118.4,247.42) v1(118.4,239.42) v1(118.4,226.72) v1(118.4,222.72) v1(118.4,218.62) v1(118.4,214.82) v1(118.4,210.62) v1(118.4,206.52) v1(118.4,202.52) v1(118.4,194.82) 118.4,190.82 v1(118.5,190.72) 115.1,187.32 v1(115.1,153.93) ; 97.12,129.65 v1(97.1,129.63) v1(97.1,125.73) v1(97.1,121.53) v1(97.1,117.63) v1(97.1,113.43) v1(97.1,109.33) 97.1,98.13 v1(97.05,98.08) ; v1(225.3,109.43) v1(225.3,113.63) v1(225.3,129.73) ; v1(150.6,111.13) v1(150.6,121.55) 150.6,125.63 v1(150.7,125.73) v1(150.7,129.55) ; v1(124.2,130.73) 124.2,127.55 v1(124.18,127.53) ; v1(159.7,98.28) v1(159.7,111.13) 159.6,111.23 v1(159.6,121.63) v1(159.6,125.63) v1(159.6,129.63) ; v1(137.32,154.06) v1(137.32,190.56) v1(137.32,194.76) v1(137.32,202.66) v1(137.32,206.66) v1(137.32,210.46) v1(137.32,214.46) v1(137.32,218.56) v1(137.32,222.66) v1(137.32,226.76) v1(137.32,231.56) v1(137.32,239.36) v1(137.32,247.36) v1(137.32,251.46) v1(137.32,255.06) v1(137.32,259.16) v1(137.32,263.16) v1(137.32,267.16) v1(137.32,271.56) v1(137.32,275.36) v1(137.32,279.46) v1(137.32,283.66) v1(137.32,287.46) v1(137.32,291.66) v1(137.32,295.56) v1(137.32,299.56) v1(137.32,303.56) 137.3,303.58 v1(137.3,307.55) ; 28.6,105.53 v1(28.6,105.73) v1(28.6,109.53) v1(28.6,113.53) v1(28.6,117.53) v1(28.6,121.53) v1(28.6,125.53) v1(28.6,129.53) ; v1(135.2,132.5) v1(135.2,125.93) v1(135.2,121.53) v1(135.2,117.43) v1(135.2,111.13) 135.2,98.28 ; v1(24.07,307.73) v1(24.07,303.63) v1(24.07,299.53) v1(24.07,295.63) v1(24.07,291.63) v1(24.07,287.73) v1(24.07,283.63) v1(24.07,279.69) v1(24.07,275.53) v1(24.07,271.43) v1(24.07,267.23) v1(24.07,263.33) v1(24.07,259.33) v1(24.07,255.63) v1(24.07,251.43) v1(24.07,247.43) v1(24.07,239.43) v1(24.07,226.73) v1(24.07,222.73) v1(24.07,218.63) v1(24.07,214.83) v1(24.07,210.63) v1(24.07,206.53) v1(24.07,202.53) v1(24.07,197.46) v1(24.07,194.83) v1(24.07,181.83) v1(24.07,178.03) v1(24.07,173.83) v1(24.07,169.83) v1(24.07,165.83) v1(24.07,161.83) 24.07,157.92 v1(24.12,157.87) 24.12,154.15 v1(24.08,154.11) ; v1(80.68,307.61) 80.68,303.64 v1(80.7,303.63) v1(80.7,299.63) v1(80.7,295.63) v1(80.7,291.73) v1(80.7,287.53) v1(80.7,283.73) v1(80.7,279.53) v1(80.7,275.43) v1(80.7,271.63) v1(80.7,267.23) v1(80.7,263.23) v1(80.7,259.23) v1(80.7,255.13) v1(80.7,251.53) v1(80.7,247.43) v1(80.7,239.43) v1(80.7,231.63) v1(80.7,226.83) v1(80.7,222.73) v1(80.7,218.63) v1(80.7,214.53) v1(80.7,210.53) v1(80.7,206.73) v1(80.7,202.73) v1(80.7,194.83) v1(80.7,190.63) v1(80.7,181.93) v1(80.7,178.03) v1(80.7,173.93) v1(80.7,169.83) v1(80.7,165.93) v1(80.7,161.83) v1(80.7,157.93) v1(80.7,154.13) ; 161.17,56.05 v1(161.25,56.13) 161.29,56.17 ; v1(186.62,98.2) v1(186.62,113.73) v1(186.62,117.73) v1(186.62,121.63) v1(186.62,125.73) v1(186.62,129.63) ; v1(173.82,98.2) 173.82,125.38 v1(174.07,125.63) v1(174.07,129.63) ; v1(64.8,98.03) 64.8,101.43 v1(64.9,101.53) 64.7,101.73 v1(64.7,109.43) v1(64.7,113.43) v1(64.7,117.53) v1(64.7,121.53) v1(64.7,125.53) v1(64.7,129.73) ; v1(215.52,98.25) 215.52,110.03 v1(215.12,110.43) 215.52,110.83 215.52,118.35 v1(215.3,118.58) ; v1(215.12,114.53) 215.52,114.13